# Altium PCB BMS_V2.1_Adv.PcbDoc (part 3 of 4)
Units mil, origin at the board's own origin, x right, y up, seen from the top; angles counter-clockwise.
Board outline 5905.51 x 5905.51 mil, 4 copper layers (Top Layer, PWR, GND, Bottom Layer), stack 23.756 mil thick; 313 components, 195 nets, 1044 pads, 1741 vias.
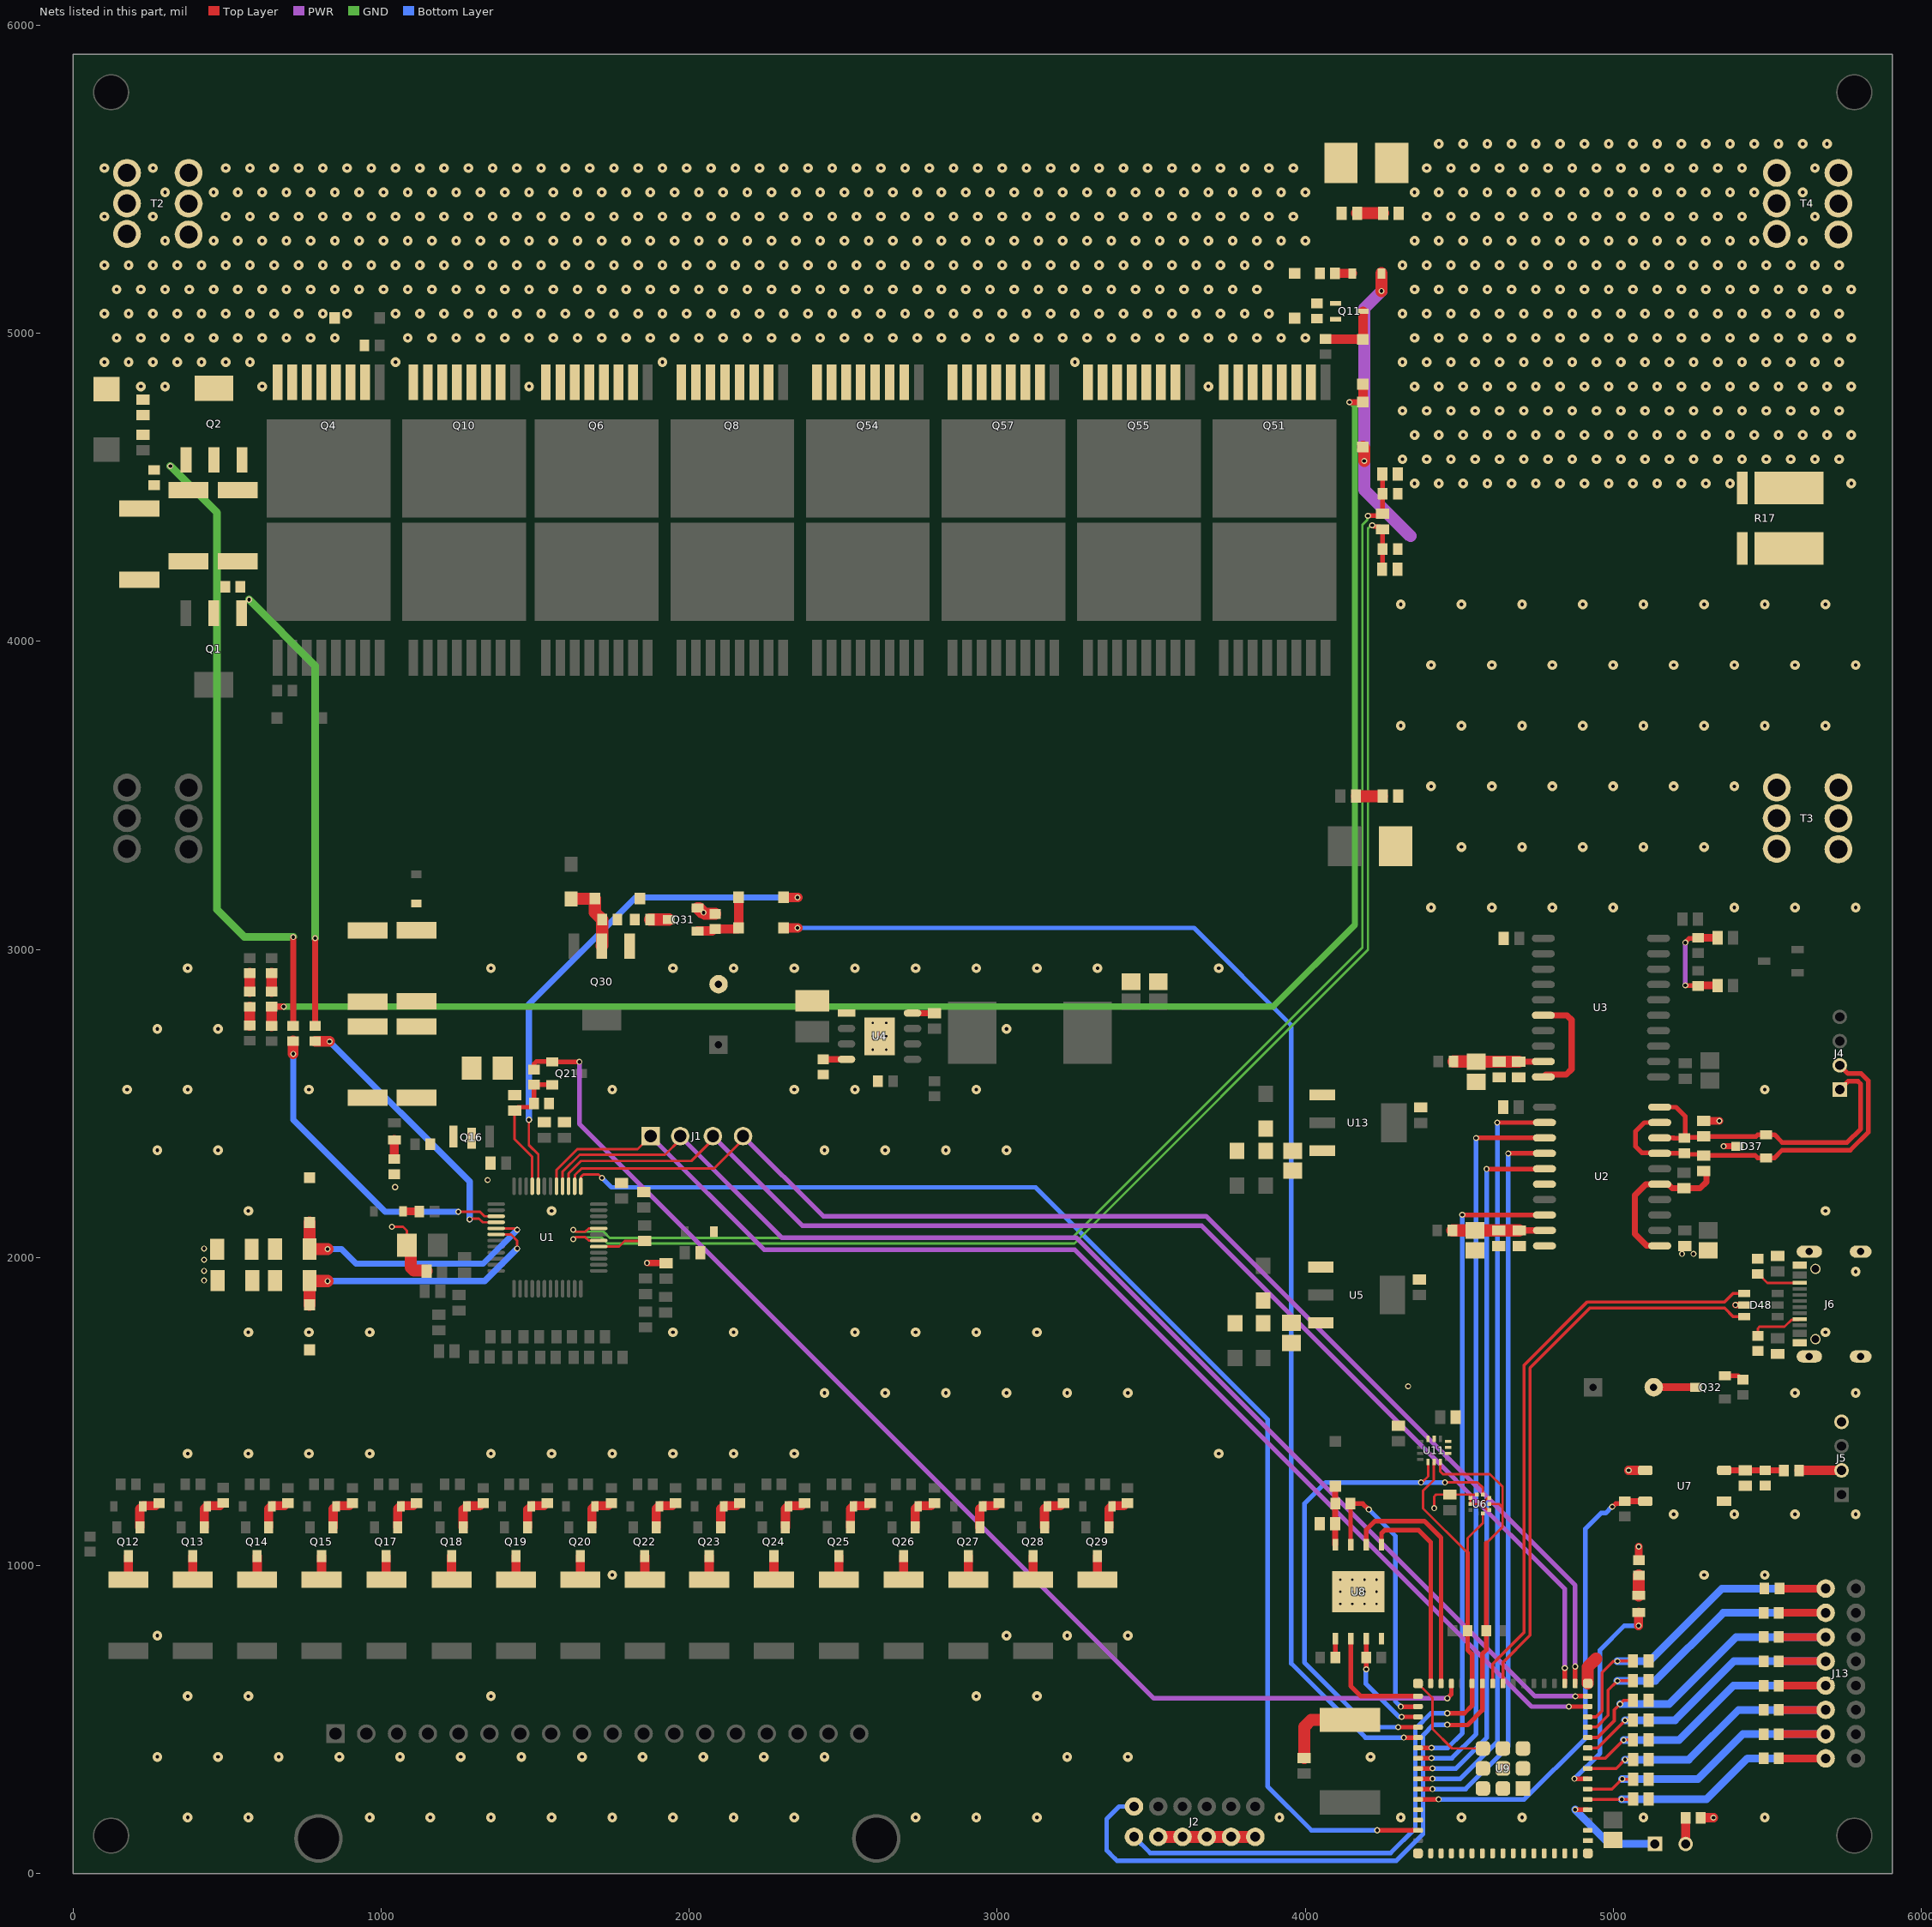
[diagram p5: the nets of this part, all layers, seen from the top]

## Via types
v1: diameter 31.5, hole 11.81, Top Layer to Bottom Layer, 1038 vias
v2: diameter 31.5/31.5/31.5/31.5 (per signal layer), hole 11.81, Top Layer to Bottom Layer, 513 vias
v3: diameter 19.68, hole 11.81, Top Layer to Bottom Layer, 172 vias
v4: diameter 19.68, hole 7.87, Top Layer to Bottom Layer, 18 vias

## Nets (pads, with @x,y where several pads share a name; then routed paths per layer and width w, separated by ;. In a path a pad name is that pad's centre, name@x,y a point inside that pad or via, vN(x,y) a via of type N, cw(c..) or ccw(c..) an arc to the next point about the centre after c; other vN are vias at no path point) (continued)
GND: C5.1 C7.1 C14.1 C18.1 C19.2 C20.1 C24.2 C26.1 C28.1 C29.1 C30.2 C32.2 C34.2 C38.1 C39.1 C40.1 C41.2 C44.1 C45.2 C46.2 C52.1 C57.1 C58.1 C59.1 C64.1 C67.1 C68.1 C70.1 C71.1 C72.1 C74.2 C75.1 C77.1 C78.1 C81.1 C83.1 C84.2 C85.1 C86.1 C135.1 C136.1 C137.1 C138.1 C139.1 C140.1 C141.1 C142.1 D3.2 D8.2 D9.2 D10.2 D11.2 D30.2 D48.2 J2.8 J2.9 J2.10 J2.11 J2.12 J5.4 J6.A1B12 J6.B1A12 J6.X@5635.43,1679 J6.X@5635.43,2019.16 J6.X@5655.43,1735 J6.X@5655.43,1963 J6.X@5802,1679 J6.X@5802,2019.16 Q31.2 Q32.2 R17.1 R17.3 R18.2 R39.1 R60.2 R82.2 R83.2 R86.2 R89.1 R94.1 R96.1 R100.1 R104.1 R105.2 R187.1 R188.1 R189.1 R190.1 R191.1 R192.1 R193.1 R194.1 SW1.1 T3.1 U1.17 U2.6 U2.10 U3.6 U3.10 U4.1 U4.9 U5.1 U6.3 U6.5 U6.7 U6.8 U6.9 U7.1 U7.3 U8.4 U8.9 U9.1 U9.2 U9.42 U9.43 U9.46 U9.47 U9.48 U9.49 U9.50 U9.51 U9.52 U9.53 U9.54 U9.55 U9.56 U9.57 U9.58 U9.59 U9.60 U9.61 U9.62 U9.63 U9.64 U9.65 U11.2 U11.3 U11.4 U11.6 U11.7 U13.1 | length 3454.7
  Top Layer w8: v3(1035.05,2099.7) 1071.34,2099.7 1083.8,2087.24 C18.1@1083.8,2040 ; U1.17@1706.34,2035.47 1772.85,2035.47 1791.2,2053.82 C34.2@1854.95,2053.82 ; U9.64@4365.45,617.55 4412.5,570.5 4412.5,470.11 4475.69,406.92 U9.61@4576.08,406.92 ; v3(4418,1186.42) 4418,1224.39 4424.32,1230.71 C46.2@4469,1230.71 4535.49,1230.71 ; U6.7@4556.16,1230.51 4535.49,1230.51 U6.8@4535.49,1219.69 U6.9@4535.49,1200 4570.79,1200 ; U6.3@4596.51,1180.32 4594.83,1182 4588.79,1182 4570.79,1200 ; U6.5@4596.51,1219.69 4594.83,1218 4588.79,1218 4570.79,1200
  Top Layer w15: Q32.2@5361.5,1616.4 5404.25,1616.4 5417.05,1603.61 R82.2@5420,1603.61
  Top Layer w20: v3(1863.12,1982.32) 1863.51,1981.93 C38.1@1925,1981.93 ; U3.10@4771.99,2586 4779.87,2593.87 4846.54,2593.87 4864,2611.33 4864,2771 4849,2786 U3.6@4771.99,2786 ; v3(5395.75,1846) D48.2@5424.29,1846
  Top Layer w25: v3(5081.81,1062) 5082,1061.81 R89.1@5082,1017.91
  Top Layer w30: v3(5049.08,1309.26) U7.3@5103.13,1309.26 ; R83.2@5283.21,182 v3(5324.36,182)
  Top Layer w39.37: C18.1@1083.8,2040 1096.6,2027.2 1096.6,1968.08 1106.71,1957.97 1145.83,1957.97 C20.1@1147.8,1956 ; R100.1@2084.47,3115.18 2051.14,3115.18 v3(2047,3119.32) ; J2.8@3522.52,120 J2.9@3601.26,120 J2.10@3680,120 J2.11@3758.74,120 J2.12@3837.48,120 ; C40.1@3996,376.2 3996,476.62 4019.06,499.68 SW1.1@4144.26,499.68 ; D8.2@4186.87,4630.5 4190.84,4626.52 v3(4190.84,4584.74) ; v3(4246.95,5136.43) D9.2@4246.95,5193.66 ; U9.63@4916.63,617.55 4916.63,671.16 4943.25,697.77 ; v3(2047,3119.32) 2042.08,3119.32 Q31.2@2027.32,3134.08 2032.24,3134.08 v3(2047,3119.32)
  PWR w39.37: v3(4246.95,5136.43) 4190.84,5080.32 v3(4190.84,4584.74) 4190.84,4491.16 4341,4341
  other v2: 372.59,182.69 569.44,182.69 963.14,182.69 1159.99,182.69 1356.84,182.69 1553.69,182.69 1750.54,182.69 1947.39,182.69 2144.24,182.69 2341.09,182.69 2734.8,182.69 2931.65,182.69 3128.5,182.69 3915.9,182.69 4309.6,182.69 4506.45,182.69 4703.3,182.69 5097,182.69 5490.7,182.69 274.17,379.54 471.02,379.54 667.87,379.54 864.72,379.54 1061.57,379.54 1258.42,379.54 1455.27,379.54 1652.12,379.54 1848.97,379.54 2045.82,379.54 2242.67,379.54 2439.52,379.54 3226.92,379.54 3423.77,379.54 4211.17,379.54 372.59,576.39 569.44,576.39 1356.84,576.39 2931.65,576.39 3128.5,576.39 274.17,773.24 3030.07,773.24 3226.92,773.24 3423.77,773.24 1750.54,970.09 5293.85,970.09 5490.7,970.09 5195.43,1166.94 5392.28,1166.94 5589.13,1166.94 5785.98,1166.94 372.59,1363.8 569.44,1363.8 766.29,1363.8 963.14,1363.8 1356.84,1363.8 1553.69,1363.8 1750.54,1363.8 1947.39,1363.8 2144.24,1363.8 2341.09,1363.8 3719.05,1363.8 2439.52,1560.65 2636.37,1560.65 2833.22,1560.65 3030.07,1560.65 3226.92,1560.65 3423.77,1560.65 5589.13,1560.65 5785.98,1560.65 569.44,1757.5 766.29,1757.5 963.14,1757.5 1947.39,1757.5 2144.24,1757.5 2537.94,1757.5 2734.8,1757.5 2931.65,1757.5 3128.5,1757.5 5687.55,1757.5 5785.98,1954.35 569.44,2151.2 1553.69,2151.2 5687.55,2151.2 274.17,2348.05 471.02,2348.05 2439.52,2348.05 2636.37,2348.05 2833.22,2348.05 3030.07,2348.05 175.74,2544.9 372.59,2544.9 766.29,2544.9 1750.54,2544.9 2341.09,2544.9 2537.94,2544.9 2931.65,2544.9 5490.7,2544.9 274.17,2741.75 471.02,2741.75 3030.07,2741.75 372.59,2938.6 1356.84,2938.6 1947.39,2938.6 2144.24,2938.6 2341.09,2938.6 2537.94,2938.6 2734.8,2938.6 2931.65,2938.6 3128.5,2938.6 3325.35,2938.6 3719.05,2938.6 4408.02,3135.45 4604.87,3135.45 4801.72,3135.45 4998.57,3135.45 5392.28,3135.45 5589.13,3135.45 5785.98,3135.45 4506.45,3332.3 4703.3,3332.3 4900.15,3332.3 5097,3332.3 5293.85,3332.3 4408.02,3529.15 4604.87,3529.15 4801.72,3529.15 4998.57,3529.15 5195.43,3529.15 5392.28,3529.15 4309.6,3726 4506.45,3726 4703.3,3726 4900.15,3726 5097,3726 5293.85,3726 5490.7,3726 5687.55,3726 4408.02,3922.85 4604.87,3922.85 4801.72,3922.85 4998.57,3922.85 5195.43,3922.85 5392.28,3922.85 5589.13,3922.85 5785.98,3922.85 4309.6,4119.7 4506.45,4119.7 4703.3,4119.7 4900.15,4119.7 5097,4119.7 5293.85,4119.7 5490.7,4119.7 5687.55,4119.7
  other v3: 4333.65,1582.1 1045.76,2228.53 1346.11,2251.36
  other v4: 4112.94,875.99 4152.31,875.99 4191.69,875.99 4231.06,875.99 4112.94,915.36 4152.31,915.36 4191.69,915.36 4231.06,915.36 4112.94,954.73 4152.31,954.73 4191.69,954.73 4231.06,954.73 2596.03,2674.75 2639.34,2674.75 2596.03,2718.05 2639.34,2718.05 2596.03,2761.36 2639.34,2761.36
GPIO0: J3.1 U9.4 | length 345.5
  Top Layer w15: v3(4875.29,208.1) U9.4@4916.04,208.1
  Bottom Layer w25: v3(4875.29,208.1) 4986.51,96.88 J3.1@5134,96.88
I2C_EN: U6.6 U9.34 U11.12 | length 1684.3
  Top Layer w8: v3(4375.33,1270.05) 4378.3,1270.05 4398.31,1290.07 U11.12@4398.31,1336.6 ; v3(4452.61,1270.05) 4558.94,1270.05 4575.84,1253.15 U6.6@4575.84,1230.51
  Top Layer w15: v3(4301,475.82) U9.34@4365.45,475.82
  Bottom Layer w15: v3(4301,475.82) 4207.18,475.82 3997,686 3997,1201.21 4065.84,1270.05 v3(4375.33,1270.05) ; v3@4376.81,1269.36 4377.5,1270.05 v3(4452.61,1270.05)
I2C_SCL: J2.7 R85.2 U6.2 U9.26 U11.13 | length 2525.7
  Top Layer w8: U11.13@4418,1336.6 4417.08,1335.68 4417.08,1325.85 4416.31,1325.09 4416.31,1277.31 4382.22,1243.21 4382.22,1185.88 4526.7,1041.4 4526.7,1089.41 4575.84,1138.55 U6.2@4575.84,1169.49
  Top Layer w15: v3(4460.45,521.09) 4516.11,521.09 4540.65,545.63 4540.65,712.68 4526.61,726.72 R85.2@4526.61,789 ; R85.2@4526.7,789.1 4526.7,1041.4
  Bottom Layer w15: J2.7@3443.78,120 3496.28,67.5 4276.5,67.5 4356.81,147.81 4356.81,470.89 4407.01,521.09 v3(4460.45,521.09)
I2C_SDA: J2.6 R84.2 U6.4 U9.25 U11.14 | length 2885.9
  Top Layer w8: U11.14@4437.69,1336.6 4437.69,1305.85 4446.54,1297 4599.25,1297 4640,1256.25 4640,1188.99 ; 4587.06,1073 4640,1125.94 4640,1188.99 ; U6.4@4596.51,1200 4628.99,1200 4640,1188.99
  Top Layer w15: v3(4460.45,483.69) 4461.34,482.8 4525.97,482.8 4574.11,530.94 U9.25@4574.11,617.55 4574.11,713.77 4587.06,726.72 R84.2@4587.06,789 4587.06,1073
  Bottom Layer w15: J2.6@3443.78,218.43 3395.43,218.43 3355,178 3355,76 3382.01,48.99 3388.5,42.5 4295.5,42.5 4381.81,128.81 4381.81,449.81 4415.69,483.69 v3(4460.45,483.69)
IGN+ve: J5.2 R87.2 | length 137.9
  Top Layer w30: R87.2@5602.11,1309.26 J5.2@5740,1309.26
IGN_INT: R88.2 U7.4 U9.41 | length 1536.7
  Top Layer w15: U9.41@4365.45,241.57 v3(4432.38,241.57) ; v3(4996,1190.99) 4997.27,1190.99 5007.29,1201.01 5027.83,1201.01 R88.2@5036.08,1209.26
  Top Layer w20: R88.2@5036.08,1209.26 U7.4@5103.13,1209.26
  Bottom Layer w15: v3(4432.38,241.57) 4710.31,241.57 4909,440.26 4909,1120 4959.82,1170.82 4974.56,1170.82 4994.73,1190.99 v3(4996,1190.99)
LD_AFE: D10.1 R23.2 U1.41 | length 895.5
  Top Layer w8: U1.41@1373.66,2094.53 1434.32,2094.53 1438.84,2090.01 v3(1442,2090.01)
  Top Layer w39.37: D10.1@768.1,2113.61 768.1,2028.05 R23.2@768.1,2027.45 v3(826.45,2027.45)
  Bottom Layer w20: v3(826.45,2027.45) 871.55,2027.45 919,1980 1331.99,1980 v3(1442,2090.01)
LED: LED2.2 U9.7 | length 696.8
  Top Layer w15: v3(4873,308.5) U9.7@4916.04,308.5
  Top Layer w30: v3(5081.33,805.2) 5081.33,848.2 5081.57,848.44 LED2.2@5082,848.44
  Bottom Layer w15: v3(4873,308.5) 4956,391.5 4956,726 5035.2,805.2 v3(5081.33,805.2)
MEM_CLK: U8.6 U9.29 | length 799.3
  Top Layer w15: U8.6@4197,1067.72 4197,1116.43 4225.42,1144.84 4386.16,1144.84 4440.25,1090.75 U9.29@4440.25,617.55
MEM_MISO: U8.2 U9.31 | length 385.6
  Top Layer w15: U8.2@4147,763 4147,609.68 4180.46,576.21 U9.31@4365.45,576.21
MEM_MOSI: U8.5 U9.30 | length 675.8
  Top Layer w15: U8.5@4247,1067.72 4247,1105.2 4256.65,1114.84 4367.98,1114.84 4406.79,1076.03 U9.30@4406.79,617.55
MEM_RST: R103.1 U8.7 U9.32 | length 940.1
  Top Layer w15: U8.7@4147,1067.72 4146.61,1068.12 4146.61,1200.61 R103.1@4146.21,1201 4185.89,1201 4204.59,1182.3 v3(4205.86,1182.3) ; v3(4309.75,542.15) 4310.05,542.45 4365.15,542.45 U9.32@4365.45,542.75
  Bottom Layer w15: v3(4205.86,1182.3) 4292.08,1096.08 4292.08,559.82 v3(4309.75,542.15)
MEM_WP: R102.2 U8.3 U9.33 | length 358.6
  Top Layer w15: U8.3@4197.2,762.8 4197.2,702.2 R102.2@4197.39,702 v3(4197.39,663.8) ; v3(4312.46,509.28) U9.33@4365.45,509.28
  Bottom Layer w15: v3(4197.39,663.8) 4196.59,663 4196.59,616.64 4303.05,510.18 4310.3,510.18 v3@4311.2,509.28
NetC1_2: C1.2 C2.1
NetC3_1: C3.1 C5.2 | length 80.8
  Top Layer w39.37: C3.1@4167.35,3497 C5.2@4248.11,3497
NetC4_1: C4.1 C6.2 | length 84.3
  Top Layer w39.37: C4.1@4168.2,5389 C6.2@4252.48,5389
NetC14_2: C14.2 Q16.C R36.1 R38.1
NetC41_1: C41.1 R86.1 R87.1 U7.2 | length 193.9
  Top Layer w20: U7.2@5359.03,1309.26 C41.1@5427.08,1309.26 R86.1@5492.23,1309.26 R87.1@5552.9,1309.26
NetC42_2: C42.2 C43.2 R91.2 R92.1 | length 354.8
  Top Layer w15: v3(5232.97,2883) 5273.39,2883 R92.1@5275,2881.39 ; v3(5232.97,3021.86) 5232.97,3023.13 5245.47,3035.62 5273.02,3035.62 R91.2@5275,3037.61
  Top Layer w25: R91.2@5275,3037.61 C42.2@5337.8,3037.61 ; R92.1@5276.61,2883 C43.2@5337.8,2883
  PWR w15: v3(5232.97,2883) v3(5232.97,3021.86)
NetC57_2: C57.2 C58.2 C59.2 FB3.2 U2.9 | length 299
  Top Layer w20: C59.2@4694,2088 U2.9@4775.98,2088
  Top Layer w39.37: FB3.2@4477,2088 C57.2@4549.89,2088 C58.2@4628,2088 C59.2@4694,2088
NetC67_2: C67.2 C68.2 C70.2 FB4.2 U3.9 | length 291.5
  Top Layer w20: C68.2@4692.65,2635.55 U3.9@4771.54,2635.55
  Top Layer w39.37: FB4.2@4480.61,2636 4553.48,2636 C70.2@4554,2635.48 4554.19,2635.29 4628.08,2635.29 C67.2@4628.27,2635.1 C68.2@4692.2,2635.1 C68.2@4692.65,2635.55
NetC72_2: C72.2 D79.1 D80.1 D81.1 U13.3
NetC81_2: C81.2 D47.1 D77.1 D78.1 U5.3
NetC84_1: C84.1 D46.1 R103.2 U8.8 | length 190.3
  Top Layer w20: U8.8@4097,1067.72 C84.1@4097,1136.5 R103.2@4097,1201 D46.1@4097,1258
NetD6_1: D6.1 Q11.1 R8.1 R14.2
NetD7_1: D7.1 D8.1 FB2.2 R13.1 | length 5495.8
  Top Layer w20: R13.1@645,2814.13 v3(684,2814.13) ; v3(4143,4776) 4186.7,4776 D8.1@4186.87,4776.17
  Top Layer w30: D8.1@4186.87,4776.17 D7.1@4186.87,4834.17
  Top Layer w35: FB2.2@645,2751.61 R13.1@645,2813
  GND w20: v3(684,2814.13) 3895.13,2814.13 4161,3080 4161,4762.85 4147.85,4776 v3(4143,4776)
NetD7_2: D7.2 Q11.3 R11.1 | length 212.7
  Top Layer w30: R11.1@4065.35,4980.61 4065.74,4980.22 4186.48,4980.22 D7.2@4186.87,4979.83 Q11.3@4186.87,5070.72
NetD9_1: D9.1 R14.1 | length 56.1
  Top Layer w30: R14.1@4096.31,5193.66 D9.1@4152.46,5193.66
NetD12_1: D12.1 Q12.1 R26.1 | length 130
  Top Layer w30: Q12.1@217.4,1124.13 217.4,1184.02 226.38,1193 D12.1@227.24,1193 228.98,1194.73 268.12,1194.73 276.63,1203.24 R26.1@279.58,1203.24
NetD13_1: D13.1 Q13.1 R29.1 | length 129.5
  Top Layer w30: Q13.1@426.4,1124.13 426.4,1184.02 435.38,1193 D13.1@436.24,1193 437.98,1194.73 476.39,1194.73 485.05,1203.39 R29.1@488,1203.39
NetD14_1: D14.1 R32.2 R33.2
NetD15_1: D15.1 Q14.1 R34.1 | length 130.5
  Top Layer w30: Q14.1@635.4,1124.13 635.4,1184.02 644.38,1193 D15.1@645.24,1193 646.98,1194.73 686.92,1194.73 695.18,1202.99 R34.1@698.14,1202.99
NetD16_1: D16.1 Q15.1 R40.1 | length 130.6
  Top Layer w30: Q15.1@844.4,1124.13 844.4,1184.02 853.38,1193 D16.1@854.24,1193 855.98,1194.73 896.05,1194.73 904.31,1202.99 R40.1@907.26,1202.99
NetD17_1: D17.1 R45.1 | length 53.8
  Top Layer w25: D17.1@1071.24,2150 1071.24,2149.6 1071.34,2149.5 1123.89,2149.5 R45.1@1124.39,2149
NetD18_1: D18.1 Q17.1 R43.1 | length 128.9
  Top Layer w30: Q17.1@1054.08,1124.13 1054.08,1184.02 1063.05,1193 D18.1@1063.92,1193 1065.65,1194.73 1104.05,1194.73 1112.31,1202.99 R43.1@1115.27,1202.99
NetD19_1: D19.1 Q18.1 R48.1 | length 115.4
  Top Layer w30: Q18.1@1266.4,1124.13 D19.1@1266.4,1182.02 ; D19.1@1278.24,1193 1279.98,1194.73 1320.4,1194.73 1328.66,1202.99 R48.1@1331.61,1202.99
NetD20_1: D20.1 Q19.1 R51.1 | length 114.7
  Top Layer w30: Q19.1@1475.4,1124.13 D20.1@1475.4,1182.02 ; D20.1@1487.24,1193 1488.98,1194.73 1528.73,1194.73 1536.99,1202.99 R51.1@1539.94,1202.99
NetD21_1: D21.1 Q20.1 R54.1 | length 131
  Top Layer w30: Q20.1@1684.4,1124.13 1684.4,1184.02 1695.11,1194.73 1736.47,1194.73 1744.73,1202.99 R54.1@1747.68,1202.99
NetD22_1: D22.1 Q22.1 R58.1 | length 130.4
  Top Layer w30: Q22.1@1893.4,1124.13 1893.4,1184.02 1902.38,1193 D22.1@1903.24,1193 1904.98,1194.73 1944.8,1194.73 1953.06,1202.99 R58.1@1956.02,1202.99
NetD23_1: D23.1 Q23.1 R62.1 | length 129.1
  Top Layer w30: Q23.1@2102.4,1124.13 2102.4,1184.02 2111.38,1193 D23.1@2112.24,1193 2113.98,1194.73 2152.55,1194.73 2160.81,1202.99 R62.1@2163.76,1202.99
NetD24_1: D24.1 Q24.1 R65.1 | length 130.4
  Top Layer w30: Q24.1@2312.4,1124.13 2312.4,1184.02 2321.38,1193 D24.1@2322.24,1193 2323.98,1194.73 2363.82,1194.73 2372.08,1202.99 R65.1@2375.03,1202.99
NetD25_1: D25.1 Q25.1 R68.1 | length 131.2
  Top Layer w30: Q25.1@2523.4,1124.94 2523.4,1184.02 2532.38,1193 D25.1@2533.24,1193 2534.98,1194.73 2576.5,1194.73 2584.76,1202.99 R68.1@2587.71,1202.99
NetD26_1: D26.1 Q26.1 R71.1 | length 130.3
  Top Layer w30: Q26.1@2733.4,1124.13 2733.4,1184.02 2742.38,1193 D26.1@2743.24,1193 2744.98,1194.73 2784.71,1194.73 2792.97,1202.99 R71.1@2795.92,1202.99
NetD27_1: D27.1 Q27.1 R74.1 | length 129.9
  Top Layer w30: Q27.1@2943.4,1124.13 2943.4,1184.02 2952.38,1193 D27.1@2953.24,1193 2954.98,1194.73 2994.37,1194.73 3002.63,1202.99 R74.1@3005.58,1202.99
NetD28_1: D28.1 Q28.1 R77.1 | length 129.8
  Top Layer w30: Q28.1@3153.4,1124.13 3153.4,1184.02 3162.38,1193 D28.1@3163.24,1193 3164.98,1194.73 3204.28,1194.73 3212.53,1202.99 R77.1@3215.49,1202.99
NetD29_1: D29.1 Q29.1 R80.1 | length 127.2
  Top Layer w30: Q29.1@3362.4,1124.13 3362.4,1184.02 3371.38,1193 D29.1@3372.24,1193 3373.98,1194.73 3410.62,1194.73 3418.88,1202.99 R80.1@3421.83,1202.99
NetD39_1: D39.1 D40.1 Q30.2 R95.1 | length 241.9
  Top Layer w39.37: D39.1@1617,3163.9 1693.46,3163.9 D40.1@1694.24,3164.68 1694.24,3120.2 R95.1@1717.86,3096.58 1717.86,3012.11 Q30.2@1716.47,3010.72
NetD40_2: D40.2 Q30.1 R95.2 R98.2
NetD41_1: D41.1 D42.1 Q31.1 R100.2 | length 237.1
  Top Layer w30: Q31.1@2027.32,3059.28 2027.55,3059.52 2075.06,3059.52 2081.52,3065.97 R100.2@2084.47,3065.97 2157.92,3065.97 2160.64,3068.69 D42.1@2160.64,3069.58 D41.1@2160.64,3168.58
NetFB1_2: FB1.2 R12.1 | length 60.3
  Top Layer w35: FB1.2@574.22,2752.75 R12.1@574.22,2813
NetJ3_2: J3.2 R83.1 | length 85.1
  Top Layer w30: J3.2@5234,96.88 R83.1@5234,182
NetJ6_A5: J6.A5 R104.2 | length 172.5
  Top Layer w8: R104.2@5468.56,1745.81 5468.56,1770.2 5473.54,1775.18 5554.99,1775.18 5577.69,1797.88 5602.54,1797.88 J6.A5@5604.44,1799.79
NetJ6_B5: J6.B5 R105.1 | length 148.9
  Top Layer w8: R105.1@5467.56,1946.89 5470.51,1946.89 5499.5,1917.9 J6.B5@5604.44,1917.9
NetLED1_1: LED1.1 R39.2 | length 62.5
  Top Layer w20: R39.2@1042.9,2319.61 R39.2@1043.03,2319.74 ; LED1.1@1043.03,2381.88 LED1.1@1043.16,2382.01
  Top Layer w30: R39.2@1043.03,2319.74 LED1.1@1043.03,2381.88
NetLED2_1: LED2.1 R89.2 | length 65.1
  Top Layer w39.37: LED2.1@5082,903.56 R89.2@5082,968.69
NetQ1_2: Q1.2 R1.1 R2.1 R3.1 R4.1
NetQ2_2: Q2.2 R1.2 R2.2 R3.2 R5.1
NetQ12_3: Q12.3 R25.2 | length 76.5
  Top Layer w30: R25.2@180,954.16 Q12.3@180,1030.63
NetQ13_3: Q13.3 R28.2 | length 76.5
  Top Layer w30: R28.2@389,954.16 Q13.3@389,1030.63
NetQ14_3: Q14.3 R31.2 | length 76.5
  Top Layer w30: R31.2@598,954.16 Q14.3@598,1030.63
NetQ15_3: Q15.3 R37.2 | length 76.5
  Top Layer w30: R37.2@807,954.16 Q15.3@807,1030.63
NetQ16_B: Q16.B R44.2
NetQ17_3: Q17.3 R42.2 | length 75.1
  Top Layer w30: R42.2@1016.67,955.48 Q17.3@1016.67,1030.63
NetQ18_3: Q18.3 R47.2 | length 76.5
  Top Layer w30: R47.2@1229,954.16 Q18.3@1229,1030.63
NetQ19_3: Q19.3 R50.2 | length 76.5
  Top Layer w30: R50.2@1438,954.16 Q19.3@1438,1030.63
NetQ20_3: Q20.3 R53.2 | length 76.5
  Top Layer w30: R53.2@1647,954.16 Q20.3@1647,1030.63
NetQ22_3: Q22.3 R57.2 | length 76.5
  Top Layer w30: R57.2@1856,954.16 Q22.3@1856,1030.63
NetQ23_3: Q23.3 R61.2 | length 76.5
  Top Layer w30: R61.2@2065,954.16 Q23.3@2065,1030.63
NetQ24_3: Q24.3 R64.2 | length 76.5
  Top Layer w30: R64.2@2275,954.16 Q24.3@2275,1030.63
NetQ25_3: Q25.3 R67.2 | length 77.3
  Top Layer w30: R67.2@2486,954.16 Q25.3@2486,1031.44
NetQ26_3: Q26.3 R70.2 | length 76.5
  Top Layer w30: R70.2@2696,954.16 Q26.3@2696,1030.63
NetQ27_3: Q27.3 R73.2 | length 76.5
  Top Layer w30: R73.2@2906,954.16 Q27.3@2906,1030.63
NetQ28_3: Q28.3 R76.2 | length 76.5
  Top Layer w30: R76.2@3116,954.16 Q28.3@3116,1030.63
NetQ29_3: Q29.3 R79.2 | length 76.5
  Top Layer w30: R79.2@3325,954.16 Q29.3@3325,1030.63
NetQ31_3: Q31.3 R98.1 | length 60.6
  Top Layer w39.37: R98.1@1873.19,3096.68 Q31.3@1933.81,3096.68
NetQ32_3: Q32.3 U12.2 | length 137.6
  Top Layer w25: U12.2@5130.43,1579 Q32.3@5268,1579
NetR9_1: R9.1 R12.2 | length 59.8
  Top Layer w35: R12.2@574.22,2862.75 R9.1@574.22,2922.54
NetR10_1: R10.1 R13.2 | length 59.2
  Top Layer w35: R13.2@645,2863.34 R10.1@645,2922.54
NetR20_2: R20.2 R21.1
NetR22_2: R22.2 R23.1
NetR32_1: R32.1 R36.2
NetR33_1: R33.1 R38.2
NetR101_2: R101.2 U8.1 | length 61.4
  Top Layer w15: R101.2@4097,701.6 U8.1@4097,763
NetU1_25: U1.25 U9.44 | length 4330.1
  Top Layer w8: U1.25@1648.27,2231.34 1649,2232.07 1649,2261.95 1656.77,2269.72 1706.34,2269.72 1706.34,2269.39 v3(1717,2258.73)
  Top Layer w15: v3(4232.83,141.17) U9.44@4365.45,141.17
  Bottom Layer w15: v3(1717,2258.73) 1747.96,2227.77 3124.23,2227.77 3877,1475 3877,284 4019.83,141.17 v3(4232.83,141.17)
Pack+ve: C2.2 C4.2 D1.2 D2.1 D5.2 D6.2 Q2.3 Q2.4 Q4.2 Q4.3 Q4.4 Q4.5 Q4.6 Q4.7 Q4.8 Q6.2 Q6.3 Q6.4 Q6.5 Q6.6 Q6.7 Q6.8 Q8.2 Q8.3 Q8.4 Q8.5 Q8.6 Q8.7 Q8.8 Q10.2 Q10.3 Q10.4 Q10.5 Q10.6 Q10.7 Q10.8 Q11.2 Q51.2 Q51.3 Q51.4 Q51.5 Q51.6 Q51.7 Q51.8 Q54.2 Q54.3 Q54.4 Q54.5 Q54.6 Q54.7 Q54.8 Q55.2 Q55.3 Q55.4 Q55.5 Q55.6 Q55.7 Q55.8 Q57.2 Q57.3 Q57.4 Q57.5 Q57.6 Q57.7 Q57.8 R7.2 R8.2 R20.1 R22.1 T2.1
  other v1: 220.47,4826.77 299.21,4826.77 614.17,4826.77 1480.32,4826.77 3685.04,4826.77 102.36,4905.52 181.1,4905.52 259.84,4905.52 338.58,4905.52 417.32,4905.52 496.06,4905.52 574.8,4905.52 1047.25,4905.52 1913.39,4905.52 3251.97,4905.52 141.73,4984.26 220.47,4984.26 299.21,4984.26 377.95,4984.26 456.69,4984.26 535.43,4984.26 614.17,4984.26 692.91,4984.26 771.65,4984.26 850.39,4984.26 1086.62,4984.26 1165.36,4984.26 1244.1,4984.26 1322.84,4984.26 1401.58,4984.26 1480.32,4984.26 1559.06,4984.26 1637.8,4984.26 1716.54,4984.26 1795.28,4984.26 1874.02,4984.26 1952.76,4984.26 2031.5,4984.26 2110.24,4984.26 2188.98,4984.26 2267.72,4984.26 2346.46,4984.26 2425.2,4984.26 2503.94,4984.26 2582.68,4984.26 2661.42,4984.26 2740.16,4984.26 2818.9,4984.26 2897.64,4984.26 2976.38,4984.26 3055.12,4984.26 3133.86,4984.26 3212.6,4984.26 3291.34,4984.26 3370.08,4984.26 3448.82,4984.26 3527.56,4984.26 3606.3,4984.26 3685.04,4984.26 3763.78,4984.26 3842.52,4984.26 3921.26,4984.26 4000,4984.26 102.36,5063 181.1,5063 259.84,5063 338.58,5063 417.32,5063 496.06,5063 574.8,5063 653.54,5063 732.28,5063 811.02,5063 889.76,5063 1047.25,5063 1125.99,5063 1204.73,5063 1283.47,5063 1362.21,5063 1440.95,5063 1519.69,5063 1598.43,5063 1677.17,5063 1755.91,5063 1834.65,5063 1913.39,5063 1992.13,5063 2070.87,5063 2149.61,5063 2228.35,5063 2307.09,5063 2385.83,5063 2464.57,5063 2543.31,5063 2622.05,5063 2700.79,5063 2779.53,5063 2858.27,5063 2937.01,5063 3015.75,5063 3094.49,5063 3173.23,5063 3251.97,5063 3330.71,5063 3409.45,5063 3488.19,5063 3566.93,5063 3645.67,5063 3724.41,5063 3803.15,5063 3881.89,5063 141.73,5141.74 220.47,5141.74 299.21,5141.74 377.95,5141.74 456.69,5141.74 535.43,5141.74 614.17,5141.74 692.91,5141.74 771.65,5141.74 850.39,5141.74 929.13,5141.74 1007.88,5141.74 1086.62,5141.74 1165.36,5141.74 1244.1,5141.74 1322.84,5141.74 1401.58,5141.74 1480.32,5141.74 1559.06,5141.74 1637.8,5141.74 1716.54,5141.74 1795.28,5141.74 1874.02,5141.74 1952.76,5141.74 2031.5,5141.74 2110.24,5141.74 2188.98,5141.74 2267.72,5141.74 2346.46,5141.74 2425.2,5141.74 2503.94,5141.74 2582.68,5141.74 2661.42,5141.74 2740.16,5141.74 2818.9,5141.74 2897.64,5141.74 2976.38,5141.74 3055.12,5141.74 3133.86,5141.74 3212.6,5141.74 3291.34,5141.74 3370.08,5141.74 3448.82,5141.74 3527.56,5141.74 3606.3,5141.74 3685.04,5141.74 3763.78,5141.74 3842.52,5141.74 102.36,5220.48 181.1,5220.48 259.84,5220.48 338.58,5220.48 417.32,5220.48 496.06,5220.48 574.8,5220.48 653.54,5220.48 732.28,5220.48 811.02,5220.48 889.76,5220.48 968.51,5220.48 1047.25,5220.48 1125.99,5220.48 1204.73,5220.48 1283.47,5220.48 1362.21,5220.48 1440.95,5220.48 1519.69,5220.48 1598.43,5220.48 1677.17,5220.48 1755.91,5220.48 1834.65,5220.48 1913.39,5220.48 1992.13,5220.48 2070.87,5220.48 2149.61,5220.48 2228.35,5220.48 2307.09,5220.48 2385.83,5220.48 2464.57,5220.48 2543.31,5220.48 2622.05,5220.48 2700.79,5220.48 2779.53,5220.48 2858.27,5220.48 2937.01,5220.48 3015.75,5220.48 3094.49,5220.48 3173.23,5220.48 3251.97,5220.48 3330.71,5220.48 3409.45,5220.48 3488.19,5220.48 3566.93,5220.48 3645.67,5220.48 3724.41,5220.48 3803.15,5220.48 3881.89,5220.48 299.21,5299.22 456.69,5299.22 535.43,5299.22 614.17,5299.22 692.91,5299.22 771.65,5299.22 850.39,5299.22 929.13,5299.22 1007.88,5299.22 1086.62,5299.22 1165.36,5299.22 1244.1,5299.22 1322.84,5299.22 1401.58,5299.22 1480.32,5299.22 1559.06,5299.22 1637.8,5299.22 1716.54,5299.22 1795.28,5299.22 1874.02,5299.22 1952.76,5299.22 2031.5,5299.22 2110.24,5299.22 2188.98,5299.22 2267.72,5299.22 2346.46,5299.22 2425.2,5299.22 2503.94,5299.22 2582.68,5299.22 2661.42,5299.22 2740.16,5299.22 2818.9,5299.22 2897.64,5299.22 2976.38,5299.22 3055.12,5299.22 3133.86,5299.22 3212.6,5299.22 3291.34,5299.22 3370.08,5299.22 3448.82,5299.22 3527.56,5299.22 3606.3,5299.22 3685.04,5299.22 3763.78,5299.22 3842.52,5299.22 3921.26,5299.22 4000,5299.22 102.36,5377.96 259.84,5377.96 496.06,5377.96 574.8,5377.96 653.54,5377.96 732.28,5377.96 811.02,5377.96 889.76,5377.96 968.51,5377.96 1047.25,5377.96 1125.99,5377.96 1204.73,5377.96 1283.47,5377.96 1362.21,5377.96 1440.95,5377.96 1519.69,5377.96 1598.43,5377.96 1677.17,5377.96 1755.91,5377.96 1834.65,5377.96 1913.39,5377.96 1992.13,5377.96 2070.87,5377.96 2149.61,5377.96 2228.35,5377.96 2307.09,5377.96 2385.83,5377.96 2464.57,5377.96 2543.31,5377.96 2622.05,5377.96 2700.79,5377.96 2779.53,5377.96 2858.27,5377.96 2937.01,5377.96 3015.75,5377.96 3094.49,5377.96 3173.23,5377.96 3251.97,5377.96 3330.71,5377.96 3409.45,5377.96 3488.19,5377.96 3566.93,5377.96 3645.67,5377.96 3724.41,5377.96 3803.15,5377.96 3881.89,5377.96 3960.63,5377.96 299.21,5456.7 456.69,5456.7 535.43,5456.7 614.17,5456.7 692.91,5456.7 771.65,5456.7 850.39,5456.7 929.13,5456.7 1007.88,5456.7 1086.62,5456.7 1165.36,5456.7 1244.1,5456.7 1322.84,5456.7 1401.58,5456.7 1480.32,5456.7 1559.06,5456.7 1637.8,5456.7 1716.54,5456.7 1795.28,5456.7 1874.02,5456.7 1952.76,5456.7 2031.5,5456.7 2110.24,5456.7 2188.98,5456.7 2267.72,5456.7 2346.46,5456.7 2425.2,5456.7 2503.94,5456.7 2582.68,5456.7 2661.42,5456.7 2740.16,5456.7 2818.9,5456.7 2897.64,5456.7 2976.38,5456.7 3055.12,5456.7 3133.86,5456.7 3212.6,5456.7 3291.34,5456.7 3370.08,5456.7 3448.82,5456.7 3527.56,5456.7 3606.3,5456.7 3685.04,5456.7 3763.78,5456.7 3842.52,5456.7 3921.26,5456.7 4000,5456.7 102.36,5535.44 259.84,5535.44 496.06,5535.44 574.8,5535.44 653.54,5535.44 732.28,5535.44 811.02,5535.44 889.76,5535.44 968.51,5535.44 1047.25,5535.44 1125.99,5535.44 1204.73,5535.44 1283.47,5535.44 1362.21,5535.44 1440.95,5535.44 1519.69,5535.44 1598.43,5535.44 1677.17,5535.44 1755.91,5535.44 1834.65,5535.44 1913.39,5535.44 1992.13,5535.44 2070.87,5535.44 2149.61,5535.44 2228.35,5535.44 2307.09,5535.44 2385.83,5535.44 2464.57,5535.44 2543.31,5535.44 2622.05,5535.44 2700.79,5535.44 2779.53,5535.44 2858.27,5535.44 2937.01,5535.44 3015.75,5535.44 3094.49,5535.44 3173.23,5535.44 3251.97,5535.44 3330.71,5535.44 3409.45,5535.44 3488.19,5535.44 3566.93,5535.44 3645.67,5535.44 3724.41,5535.44 3803.15,5535.44 3881.89,5535.44 3960.63,5535.44
  other v3: 425.86,1925.45 425.86,1956.81 425.86,1992.45 425.86,2029.17
Pack-ve: C6.1 C9.2 D2.2 R17.2 R17.4 R19.2 T4.1
  other v1: 4354.33,4511.81 4433.07,4511.81 4511.81,4511.81 4590.55,4511.81 4669.29,4511.81 4748.03,4511.81 4826.77,4511.81 4905.52,4511.81 4984.26,4511.81 5063,4511.81 5141.74,4511.81 5220.48,4511.81 5299.22,4511.81 5377.96,4511.81 5771.66,4511.81 4314.96,4590.55 4393.7,4590.55 4472.44,4590.55 4551.18,4590.55 4629.92,4590.55 4708.66,4590.55 4787.4,4590.55 4866.14,4590.55 4944.89,4590.55 5023.63,4590.55 5102.37,4590.55 5181.11,4590.55 5259.85,4590.55 5338.59,4590.55 5417.33,4590.55 5496.07,4590.55 5574.81,4590.55 5653.55,4590.55 5732.29,4590.55 4354.33,4669.29 4433.07,4669.29 4511.81,4669.29 4590.55,4669.29 4669.29,4669.29 4748.03,4669.29 4826.77,4669.29 4905.52,4669.29 4984.26,4669.29 5063,4669.29 5141.74,4669.29 5220.48,4669.29 5299.22,4669.29 5377.96,4669.29 5456.7,4669.29 5535.44,4669.29 5614.18,4669.29 5692.92,4669.29 5771.66,4669.29 4314.96,4748.03 4393.7,4748.03 4472.44,4748.03 4551.18,4748.03 4629.92,4748.03 4708.66,4748.03 4787.4,4748.03 4866.14,4748.03 4944.89,4748.03 5023.63,4748.03 5102.37,4748.03 5181.11,4748.03 5259.85,4748.03 5338.59,4748.03 5417.33,4748.03 5496.07,4748.03 5574.81,4748.03 5653.55,4748.03 5732.29,4748.03 4354.33,4826.77 4433.07,4826.77 4511.81,4826.77 4590.55,4826.77 4669.29,4826.77 4748.03,4826.77 4826.77,4826.77 4905.52,4826.77 4984.26,4826.77 5063,4826.77 5141.74,4826.77 5220.48,4826.77 5299.22,4826.77 5377.96,4826.77 5456.7,4826.77 5535.44,4826.77 5614.18,4826.77 5692.92,4826.77 5771.66,4826.77 4314.96,4905.52 4393.7,4905.52 4472.44,4905.52 4551.18,4905.52 4629.92,4905.52 4708.66,4905.52 4787.4,4905.52 4866.14,4905.52 4944.89,4905.52 5023.63,4905.52 5102.37,4905.52 5181.11,4905.52 5259.85,4905.52 5338.59,4905.52 5417.33,4905.52 5496.07,4905.52 5574.81,4905.52 5653.55,4905.52 5732.29,4905.52 4354.33,4984.26 4433.07,4984.26 4511.81,4984.26 4590.55,4984.26 4669.29,4984.26 4748.03,4984.26 4826.77,4984.26 4905.52,4984.26 4984.26,4984.26 5063,4984.26 5141.74,4984.26 5220.48,4984.26 5299.22,4984.26 5377.96,4984.26 5456.7,4984.26 5535.44,4984.26 5614.18,4984.26 5692.92,4984.26 5771.66,4984.26 4314.96,5063 4393.7,5063 4472.44,5063 4551.18,5063 4629.92,5063 4708.66,5063 4787.4,5063 4866.14,5063 4944.89,5063 5023.63,5063 5102.37,5063 5181.11,5063 5259.85,5063 5338.59,5063 5417.33,5063 5496.07,5063 5574.81,5063 5653.55,5063 5732.29,5063 4354.33,5141.74 4433.07,5141.74 4511.81,5141.74 4590.55,5141.74 4669.29,5141.74 4748.03,5141.74 4826.77,5141.74 4905.52,5141.74 4984.26,5141.74 5063,5141.74 5141.74,5141.74 5220.48,5141.74 5299.22,5141.74 5377.96,5141.74 5456.7,5141.74 5535.44,5141.74 5614.18,5141.74 5692.92,5141.74 5771.66,5141.74 4314.96,5220.48 4393.7,5220.48 4472.44,5220.48 4551.18,5220.48 4629.92,5220.48 4708.66,5220.48 4787.4,5220.48 4866.14,5220.48 4944.89,5220.48 5023.63,5220.48 5102.37,5220.48 5181.11,5220.48 5259.85,5220.48 5338.59,5220.48 5417.33,5220.48 5496.07,5220.48 5574.81,5220.48 5653.55,5220.48 5732.29,5220.48 4354.33,5299.22 4433.07,5299.22 4511.81,5299.22 4590.55,5299.22 4669.29,5299.22 4748.03,5299.22 4826.77,5299.22 4905.52,5299.22 4984.26,5299.22 5063,5299.22 5141.74,5299.22 5220.48,5299.22 5299.22,5299.22 5377.96,5299.22 5456.7,5299.22 5614.18,5299.22 4393.7,5377.96 4472.44,5377.96 4551.18,5377.96 4629.92,5377.96 4708.66,5377.96 4787.4,5377.96 4866.14,5377.96 4944.89,5377.96 5023.63,5377.96 5102.37,5377.96 5181.11,5377.96 5259.85,5377.96 5338.59,5377.96 5417.33,5377.96 5653.55,5377.96 4354.33,5456.7 4433.07,5456.7 4511.81,5456.7 4590.55,5456.7 4669.29,5456.7 4748.03,5456.7 4826.77,5456.7 4905.52,5456.7 4984.26,5456.7 5063,5456.7 5141.74,5456.7 5220.48,5456.7 5299.22,5456.7 5377.96,5456.7 5456.7,5456.7 5614.18,5456.7 4393.7,5535.44 4472.44,5535.44 4551.18,5535.44 4629.92,5535.44 4708.66,5535.44 4787.4,5535.44 4866.14,5535.44 4944.89,5535.44 5023.63,5535.44 5102.37,5535.44 5181.11,5535.44 5259.85,5535.44 5338.59,5535.44 5417.33,5535.44 5653.55,5535.44 4433.07,5614.18 4511.81,5614.18 4590.55,5614.18 4669.29,5614.18 4748.03,5614.18 4826.77,5614.18 4905.52,5614.18 4984.26,5614.18 5063,5614.18 5141.74,5614.18 5220.48,5614.18 5299.22,5614.18 5377.96,5614.18 5456.7,5614.18 5535.44,5614.18 5614.18,5614.18 5692.92,5614.18
PACK_AFE: D11.1 R21.2 U1.42 | length 899.7
  Top Layer w8: U1.42@1373.66,2074.84 1374.08,2074.42 1422.16,2074.42 1442,2054.58 v3(1442,2029.2)
  Top Layer w39.37: D11.1@768.1,1846.28 R21.2@768.1,1925.45 770.01,1923.54 v3(826.45,1923.54)
  Bottom Layer w20: v3(826.45,1923.54) 1336.34,1923.54 v3(1442,2029.2)
PCHG_AFE: R15.1 U1.40 | length 904.9
  Top Layer w8: v3(1287.64,2123.77) 1289.87,2126.01 1318.09,2126.01 1329.88,2114.21 U1.40@1373.66,2114.21
  Top Layer w20: R15.1@786.1,2702.39 R15.1@787.5,2701
  Top Layer w35: R15.1@787.5,2701 v3(833,2701)
  Bottom Layer w20: v3(833,2701) 1287.64,2246.36 v3(1287.64,2123.77)
PCHG_Gate: Q1.1 R4.2 R15.2 | length 1471.9
  Top Layer w20: R15.2@786.1,2751.61 v3(786.1,3035.9)
  GND w25: v3(572.22,4134.93) 572.22,4134.44 786.1,3920.56 v3(786.1,3035.9)
PDSG_AFE: R16.1 U1.39 | length 1043.7
  Top Layer w8: v3(1250.58,2148.12) 1321.44,2148.12 1335.65,2133.9 U1.39@1373.66,2133.9
  Top Layer w35: v3(715,2661) R16.1@715,2702.39
  Bottom Layer w20: v3(715,2661) 715,2447 1013.88,2148.12 v3(1250.58,2148.12)
PDSG_Gate: Q2.1 R5.2 R16.2 | length 2074.5
  Top Layer w20: R16.2@715,2751.61 v3(715,3040)
  GND w25: v3(316.27,4568.39) 468,4416.66 468,3129 557,3040 v3(715,3040)
Power_En_AFE: D41.2 U1.32 | length 1665.3
  Top Layer w8: v3(1480,2447) 1480,2365.02 1510.47,2334.55 U1.32@1510.47,2231.34
  Top Layer w30: D41.2@2306.3,3168.58 v3@2352.98,3168.58
  Bottom Layer w20: v3(1480,2447) 1480,2822.06 1826.52,3168.58 v3(2351.71,3168.58)
Power_En_MCU: D42.2 U9.35 | length 4362.1
  Top Layer w15: v3(4319,442) 4319.18,442.18 4365.27,442.18 U9.35@4365.45,442.35
  Top Layer w30: D42.2@2306.3,3069.58 v3(2351.71,3069.58) v3@2352.98,3069.58
  Bottom Layer w15: v3(2351.71,3069.58) 3638.42,3069.58 3954,2754 3954,683 4195,442 v3(4319,442)
RON: R94.2 U4.4 | length 75.3
  Top Layer w20: R94.2@2435.12,2643.05 U4.4@2510.4,2643.05
RS485_DE: U2.3 U9.37 | length 2377.1
  Top Layer w15: U9.37@4365.45,375.43 v3(4409.15,375.43) ; v3(4554,2388) U2.3@4775.98,2388
  Bottom Layer w15: v3(4409.15,375.43) 4475.43,375.43 4554,454 v3(4554,2388)
RS485_EN: U2.8 U9.36 | length 2112.5
  Top Layer w15: U9.36@4365.45,408.89 v3(4409.15,408.89) ; v3(4509.27,2138.44) 4509.49,2138.22 4775.77,2138.22 U2.8@4775.98,2138
  Bottom Layer w15: v3(4409.15,408.89) 4461.89,408.89 4509.27,456.27 v3(4509.27,2138.44)
RS485_GND: C53.2 C54.1 C56.1 C60.1 C61.1 D37.3 U2.11 U2.15 | length 617.2
  Top Layer w20: U2.11@5150,2038 5149.31,2038.69 5107.31,2038.69 5069.5,2076.5 5069.5,2202.3 5104.51,2237.31 5149.31,2237.31 U2.15@5150,2238 5176.57,2238 5189.96,2224.61 C56.1@5229,2224.61 5280.65,2224.61 5301.35,2245.31 5301.35,2274.27 5294.81,2280.8 C54.1@5293,2280.8 ; v3(5357.63,2361) D37.3@5401.63,2361
  Top Layer w25: C53.2@5293,2443.55 v3(5343.17,2443.55)
  other v3: 5222.31,2011.62 5259.49,2011.62
RS485_N: C54.2 D37.1 J4.2 R90.2 U2.17 U2.19 | length 1225.4
  Top Layer w15: U2.19@5150,2438 5100,2438 5071,2409 5071,2361 5092.35,2339.65 5148.35,2339.65 U2.17@5150,2338 5194.9,2338 5195.3,2338.39 R90.2@5230,2338.39 5233.6,2334.8 5289.4,2334.8 C54.2@5293,2331.2 5460.35,2331.2 5467.95,2323.6 D37.1@5495.13,2323.6 5522.32,2323.6 5547.22,2348.5 5768.5,2348.5 5827,2407 5827,2573.33 5803.57,2596.76 5761.06,2596.76 J4.2@5734.19,2623.63
RS485_P: C53.1 D37.2 J4.1 R90.1 U2.18 U2.20 | length 1076.4
  Top Layer w15: U2.18@5150,2388 5194.9,2388 5195.3,2387.61 R90.1@5230,2387.61 R90.1@5232.77,2390.38 ; U2.20@5150,2488 5202.97,2488 5232.97,2457.99 5232.97,2390.58 R90.1@5232.77,2390.38 ; J4.1@5734.19,2544.89 5761.06,2571.76 5793.21,2571.76 5802,2562.97 5802,2417.36 5758.14,2373.5 5547.22,2373.5 5522.32,2398.4 D37.2@5495.13,2398.4 5467.95,2398.4 5462.7,2393.15 C53.1@5293,2393.15 5290.23,2390.38 R90.1@5232.77,2390.38
RS485_RE: U2.5 U9.38 | length 2297.7
  Top Layer w15: U9.38@4365.45,341.96 v3(4412.5,341.96) ; v3(4588,2287.1) U2.5@4775.08,2287.1
  Bottom Layer w15: v3(4412.5,341.96) 4488.96,341.96 4588.02,441.02 v3@4588.02,2287.98
RS485_RX: U2.4 U9.40 | length 2392.3
  Top Layer w15: U9.40@4365.45,275.03 v3(4412.69,275.03) ; v3(4658.34,2338) U2.4@4775.98,2338
  Bottom Layer w15: v3(4412.69,275.03) 4519.78,275.03 4658.34,413.59 v3(4658.34,2338)
RS485_TX: U2.2 U9.39 | length 2469.5
  Top Layer w15: U9.39@4365.45,308.5 v3(4412.5,308.5) ; v3(4622.87,2438) U2.2@4775.98,2438
  Bottom Layer w15: v3(4412.5,308.5) 4502.43,308.5 4622.87,428.94 v3(4622.87,2438)
RST_SHUT: C26.2 Q21.2 R56.2 R60.1 U1.33 | length 461.8
  Top Layer w8: C26.2@1433.45,2476.53 1433.45,2384.28 1490.79,2326.94 U1.33@1490.79,2231.34
  Top Layer w10: R60.1@1496.45,2498.81 R60.1@1496.45,2500.42 ; R56.2@1496.45,2560.42 R56.2@1496.59,2560.55
  Top Layer w15: C26.2@1433.45,2476.53 1444.98,2488.06 1485.7,2488.06 R60.1@1496.45,2498.81 ; R60.1@1496.45,2500.42 R56.2@1496.45,2560.42 ; R56.2@1496.59,2560.55 1555.09,2560.55 Q21.2@1555.31,2560.32
RST_SHUT_MCU: Q21.1 R56.1 U9.28 | length 4013
  Top Layer w15: R56.1@1496.36,2609.99 1496.36,2627.78 1505.15,2636.57 1553.87,2636.57 Q21.1@1555.31,2635.13 v3(1643.9,2635.13) ; v3(4460.45,569.49) 4473.72,582.76 U9.28@4473.72,617.55
  PWR w15: v3(1643.9,2635.13) 1643.9,2434.1 3508.51,569.49 v3(4460.45,569.49)
SPI_CLK: J1.4 U1.26 U9.16 | length 4263.9
  Top Layer w8: U1.26@1628.58,2231.34 1629.31,2232.07 1629.31,2267.72 1650.8,2289.21 2081.21,2289.21 2175,2383 J1.4@2175,2394
  Top Layer w15: U9.16@4875.29,617.55 v3(4875.29,672.71)
  PWR w15: J1.4@2175,2394 2435,2134 3677.48,2134 4875.29,936.19 v3(4875.29,672.71)
SPI_CS: J1.1 U1.29 U9.14 | length 4211.7
  Top Layer w8: U1.29@1569.53,2231.34 1569.53,2284.3 1636.91,2351.69 1832.69,2351.69 J1.1@1875,2394
  Top Layer w15: v3(4855.31,542.75) U9.14@4916.04,542.75
  PWR w15: J1.1@1875,2394 2244,2025 3252,2025 4734.25,542.75 v3(4855.31,542.75)
SPI_MISO: J1.3 U1.27 U9.17 | length 4246.9
  Top Layer w8: U1.27@1608.9,2231.34 1608.9,2272.76 1649.34,2313.21 2007.21,2313.21 2077,2382.99 J1.3@2077,2393.99
  Top Layer w15: U9.17@4841.83,617.55 v3(4841.83,667.66)
  PWR w15: J1.3@2077,2393.99 2367.99,2103 3663.72,2103 4486.72,1280 4486.72,1279.47 4841.83,924.37 v3(4841.83,667.66)
SPI_MOSI: J1.2 U1.28 U9.15 | length 4181.2
  Top Layer w8: U1.28@1589.21,2231.34 1589.21,2278.53 1644.37,2333.69 1921.69,2333.69 1971,2383 J1.2@1971,2394
  Top Layer w15: v3(4876.42,576.21) U9.15@4916.04,576.21
  PWR w15: J1.2@1971,2394 2301.11,2063.89 3257.52,2063.89 4745.2,576.21 v3(4876.42,576.21)
SR_N: C8.2 C9.1 R19.1 U1.20 | length 4639.6
  Top Layer w8: v3(1624.08,2090.01) 1630.25,2083.84 1663.11,2083.84 1673.8,2094.53 U1.20@1706.34,2094.53
  Top Layer w15: v3(4203,4407) 4203.9,4407.9 4244.9,4407.9 C8.2@4250.39,4413.39 R19.1@4250.39,4478 4250.1,4478.3 4250.1,4542.7 C9.1@4249.8,4543
  GND w8: v3(1624.08,2090.01) 1627.25,2090.01 1633.5,2083.76 1722.7,2083.76 1742.56,2063.89 3242.89,2063.89 4185,3006 4185,4378.1 4200.76,4393.86 4200.76,4404.76 v3(4203,4407)
SR_P: C7.2 C8.1 R18.1 U1.18 | length 4627.8
  Top Layer w8: v3(1624.05,2059.51) 1630.39,2065.84 1663.11,2065.84 1673.8,2055.16 U1.18@1706.34,2055.16
  Top Layer w15: v3(4216.86,4376.25) 4218.13,4376.25 4222.35,4372.03 4241.36,4372.03 C8.1@4250.39,4362.99 R18.1@4250.39,4299 4250.39,4235.59 C7.2@4248.8,4234
  GND w8: v3(1624.05,2059.51) 1627.21,2059.51 1633.46,2065.76 1715.24,2065.76 1735.11,2045.89 3250.35,2045.89 4203,2998.54 4203,4365.85 4207.69,4370.53 4207.99,4370.53 4213.7,4376.25 v3(4216.86,4376.25)
SW: C62.1 U4.8 | length 71.2
  Top Layer w20: U4.8@2725.25,2792.77 C62.1@2796.47,2792.77
TS1: C142.2 J13.8 R194.2 U9.5 | length 1017
  Top Layer w10: U9.5@4916.04,241.57 v3(5026.71,241.57) 5062.18,241.57 C142.2@5063.31,242.69
  Top Layer w25: R194.2@5536.28,374.52 J13.8@5688.57,374.52
  Bottom Layer w25: v3(5026.71,241.57) 5301.58,241.57 5434.54,374.52 J13.8@5688.57,374.52
TS2: C141.2 J13.7 R193.2 U9.6 | length 1034.4
  Top Layer w10: U9.6@4916.04,275.03 4995.2,275.03 v3(5028.17,308) 5029.54,306.62 C141.2@5063.31,306.62
  Top Layer w25: R193.2@5536.28,453.26 J13.7@5688.57,453.26
  Bottom Layer w25: v3(5028.17,308) 5274.46,308 5419.72,453.26 J13.7@5688.57,453.26
TS3: C140.2 J13.6 R192.2 U9.8 | length 1029.5
  Top Layer w10: U9.8@4916.04,341.96 5008.8,341.96 v3(5037.32,370.49) C140.2@5063.31,370.49
  Top Layer w25: R192.2@5536.28,532 J13.6@5688.57,532
  Bottom Layer w25: v3(5037.32,370.49) 5244.49,370.49 5406,532 J13.6@5688.57,532
TS4: C139.2 J13.5 R191.2 U9.9 | length 1051.9
  Top Layer w10: U9.9@4916.04,375.43 4974.07,375.43 v3(5033.07,434.43) 5062,434.43 C139.2@5062.45,433.97
  Top Layer w25: R191.2@5536.28,610.74 J13.5@5688.57,610.74
  Bottom Layer w25: v3(5033.07,434.43) 5212.67,434.43 5388.98,610.74 J13.5@5688.57,610.74
TS5: C138.2 J13.4 R190.2 U9.10 | length 1067.6
  Top Layer w10: U9.10@4916.13,408.8 4948.74,408.8 5037.05,497.11 v3(5037.05,498.42) 5062.18,498.42 C138.2@5062.69,497.9
  Top Layer w25: R190.2@5536.28,689.48 J13.4@5688.57,689.48
  Bottom Layer w25: v3(5037.05,498.42) 5199.42,498.42 5390.48,689.48 J13.4@5688.57,689.48
TS6: C137.2 J13.3 R189.2 U9.11 | length 1127
  Top Layer w10: U9.11@4916.04,442.35 4948.11,442.35 5002.47,496.71 5002.47,531.81 v3(5021.28,550.62) 5033.07,562.41 C137.2@5063.04,562.41
  Top Layer w25: R189.2@5536.28,768.22 J13.3@5688.57,768.22
  Bottom Layer w25: v3(5021.28,550.62) 5180.49,550.62 5398.09,768.22 J13.3@5688.57,768.22
TS7: C136.2 J13.2 R188.2 U9.12 | length 1177
  Top Layer w10: U9.12@4916.04,475.82 4916.93,476.71 4945.45,476.71 4982.47,513.73 4982.47,596.02 v3(5012.79,626.34) C136.2@5063.04,626.34
  Top Layer w25: R188.2@5536.28,846.96 J13.2@5688.57,846.96
  Bottom Layer w25: v3(5012.79,626.34) 5135.48,626.34 5356.1,846.96 J13.2@5688.57,846.96
TS8: C135.2 J13.1 R187.2 U9.13 | length 1218.2
  Top Layer w10: U9.13@4916.04,509.28 4943.07,509.28 4962.47,528.69 4962.47,653.31 4998.59,689.43 5009.23,689.43 5010.17,690.36 v3(5012.79,690.36) C135.2@5063.04,690.36
  Top Layer w25: R187.2@5538.61,925.7 J13.1@5688.57,925.7
  Bottom Layer w25: v3(5012.79,690.36) 5117,690.36 5352.34,925.7 J13.1@5688.57,925.7
USB_D_N: D48.3 U9.23 | length 1847.7
  Top Layer w10: U9.23@4641.04,617.55 4641.04,686.2 4729,774.16 4729,1641.73 4923.27,1836 5360.51,1836 5387.91,1808.6 D48.3@5424.29,1808.6
USB_D_P: D48.1 U9.24 | length 1886.4
  Top Layer w10: U9.24@4607.57,617.55 4607.57,681.02 4626.9,700.34 4709,782.44 4709,1650.01 4914.99,1856 5360.51,1856 5387.91,1883.4 D48.1@5424.29,1883.4